# Altium PCB FlightController.PcbDoc
Units mm, origin at the board's own origin, x right, y up, seen from the top; angles counter-clockwise.
Board outline 54.5 x 67.5 mm, 4 copper layers (Top Layer, GND, Power, Bottom Layer), stack 1.883 mm thick; 52 components, 38 nets, 211 pads, 34 vias.
Unrouted connection lines stored in the file: 98.
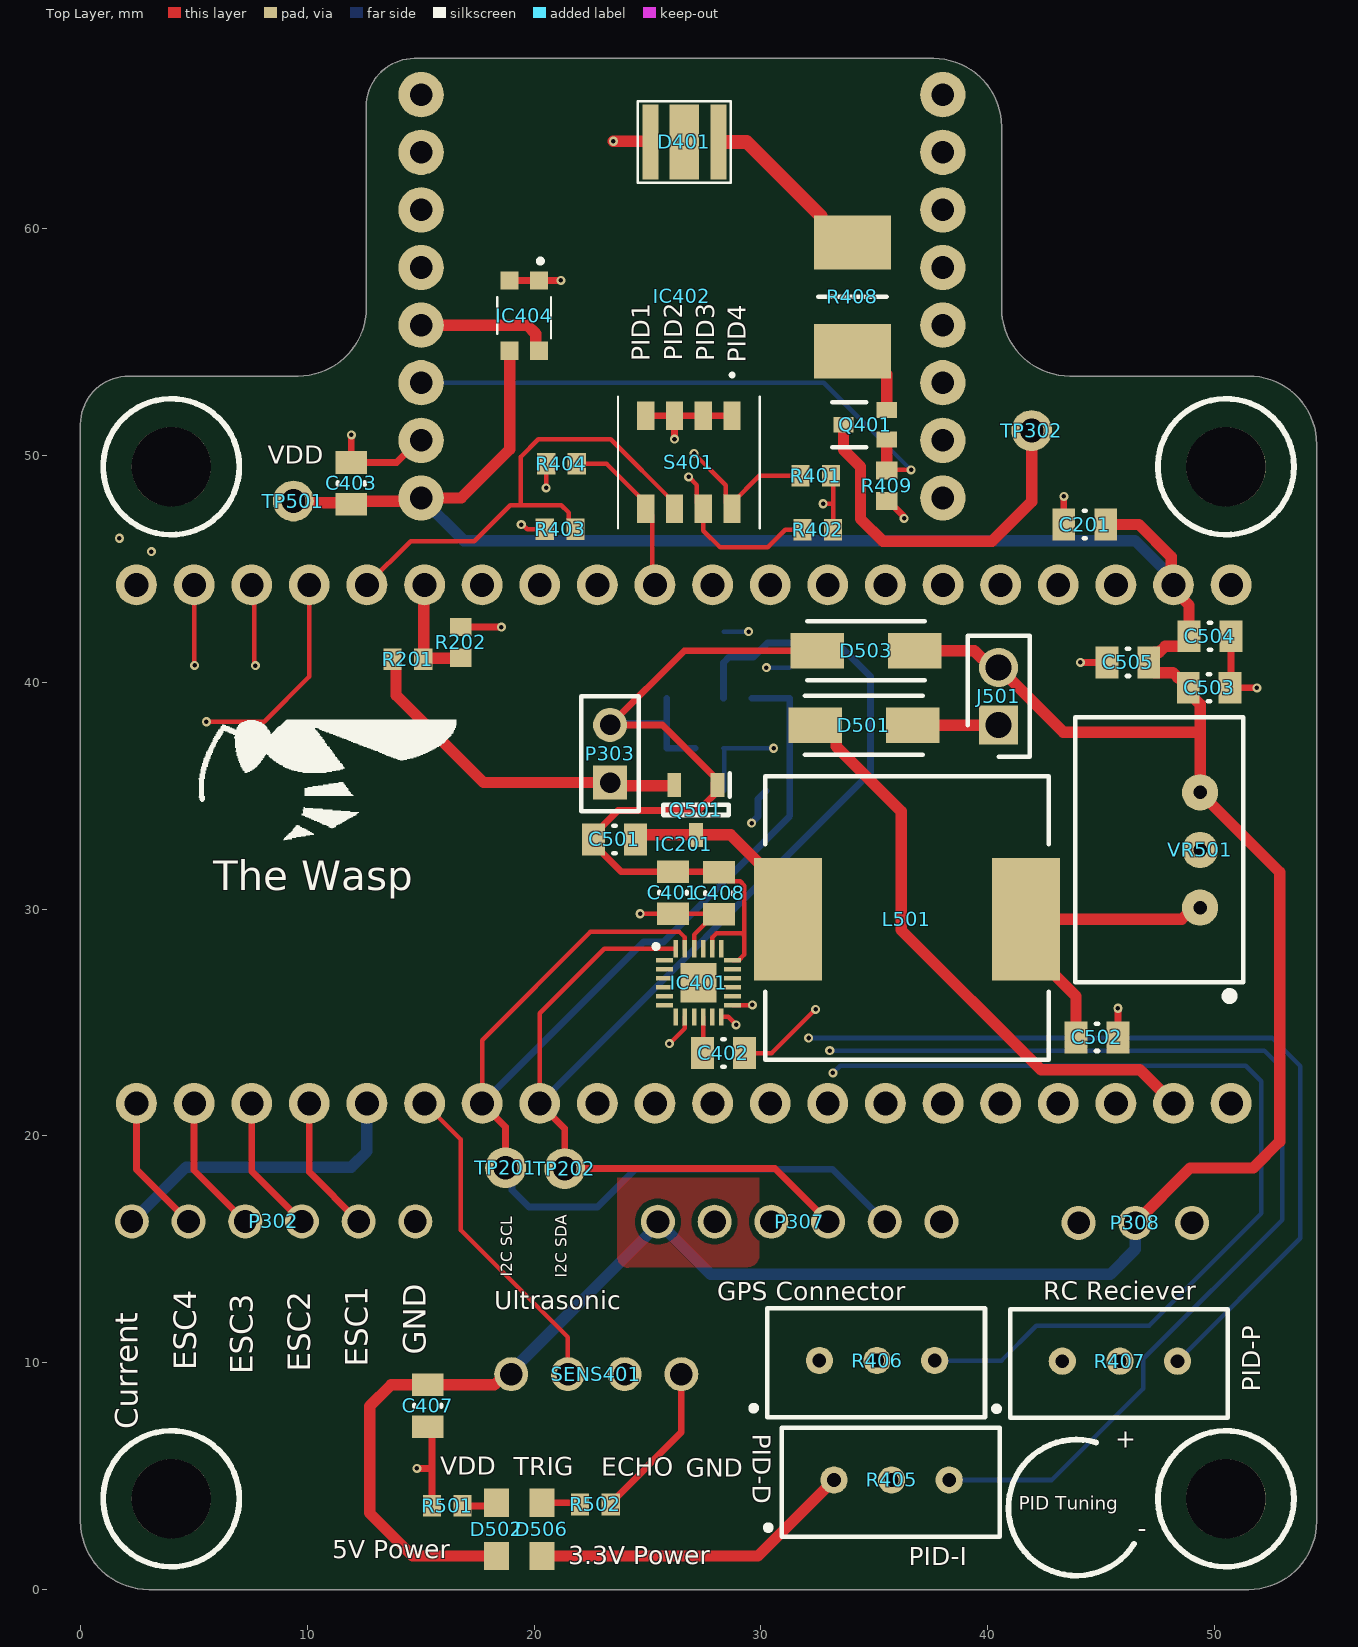
[diagram p0: Top Layer view]
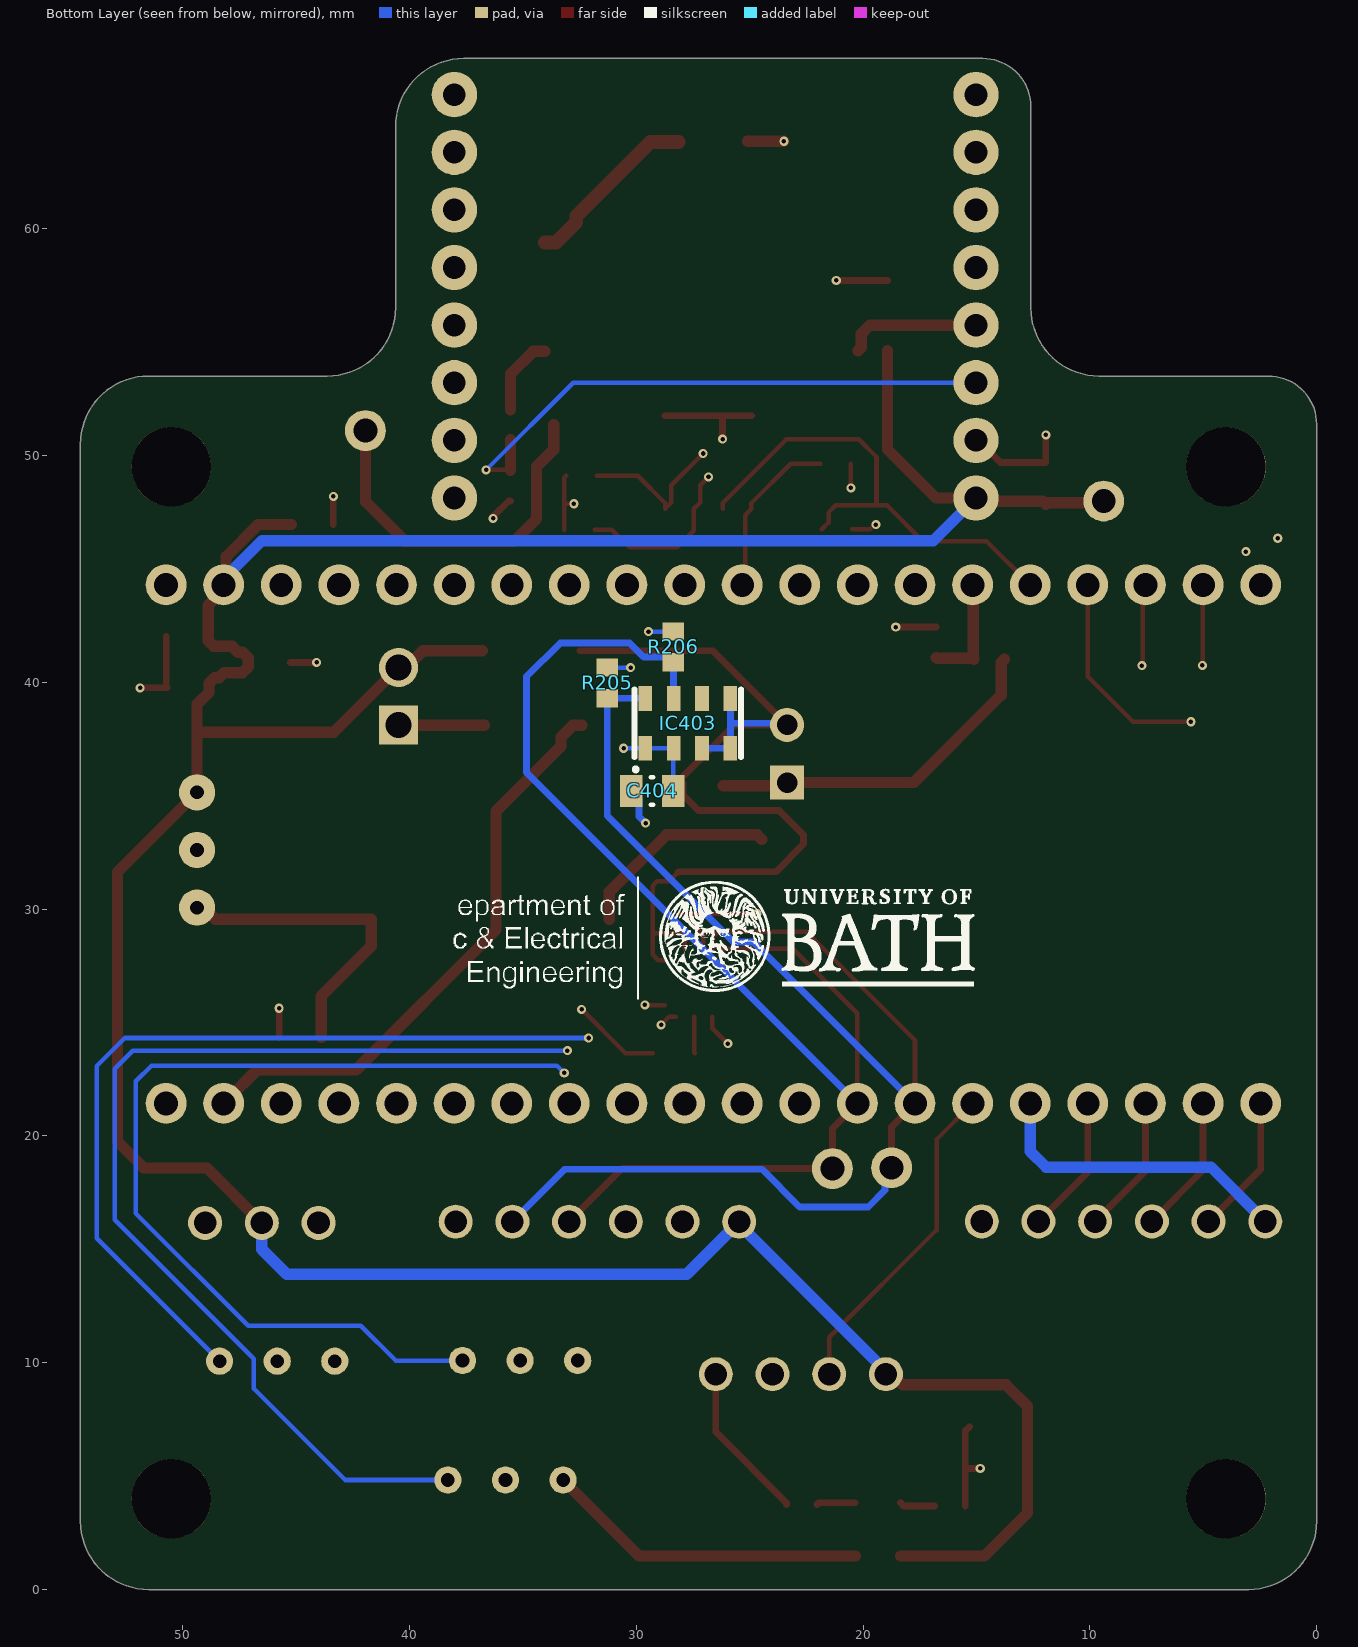
[diagram p1: Bottom Layer view, seen from below]
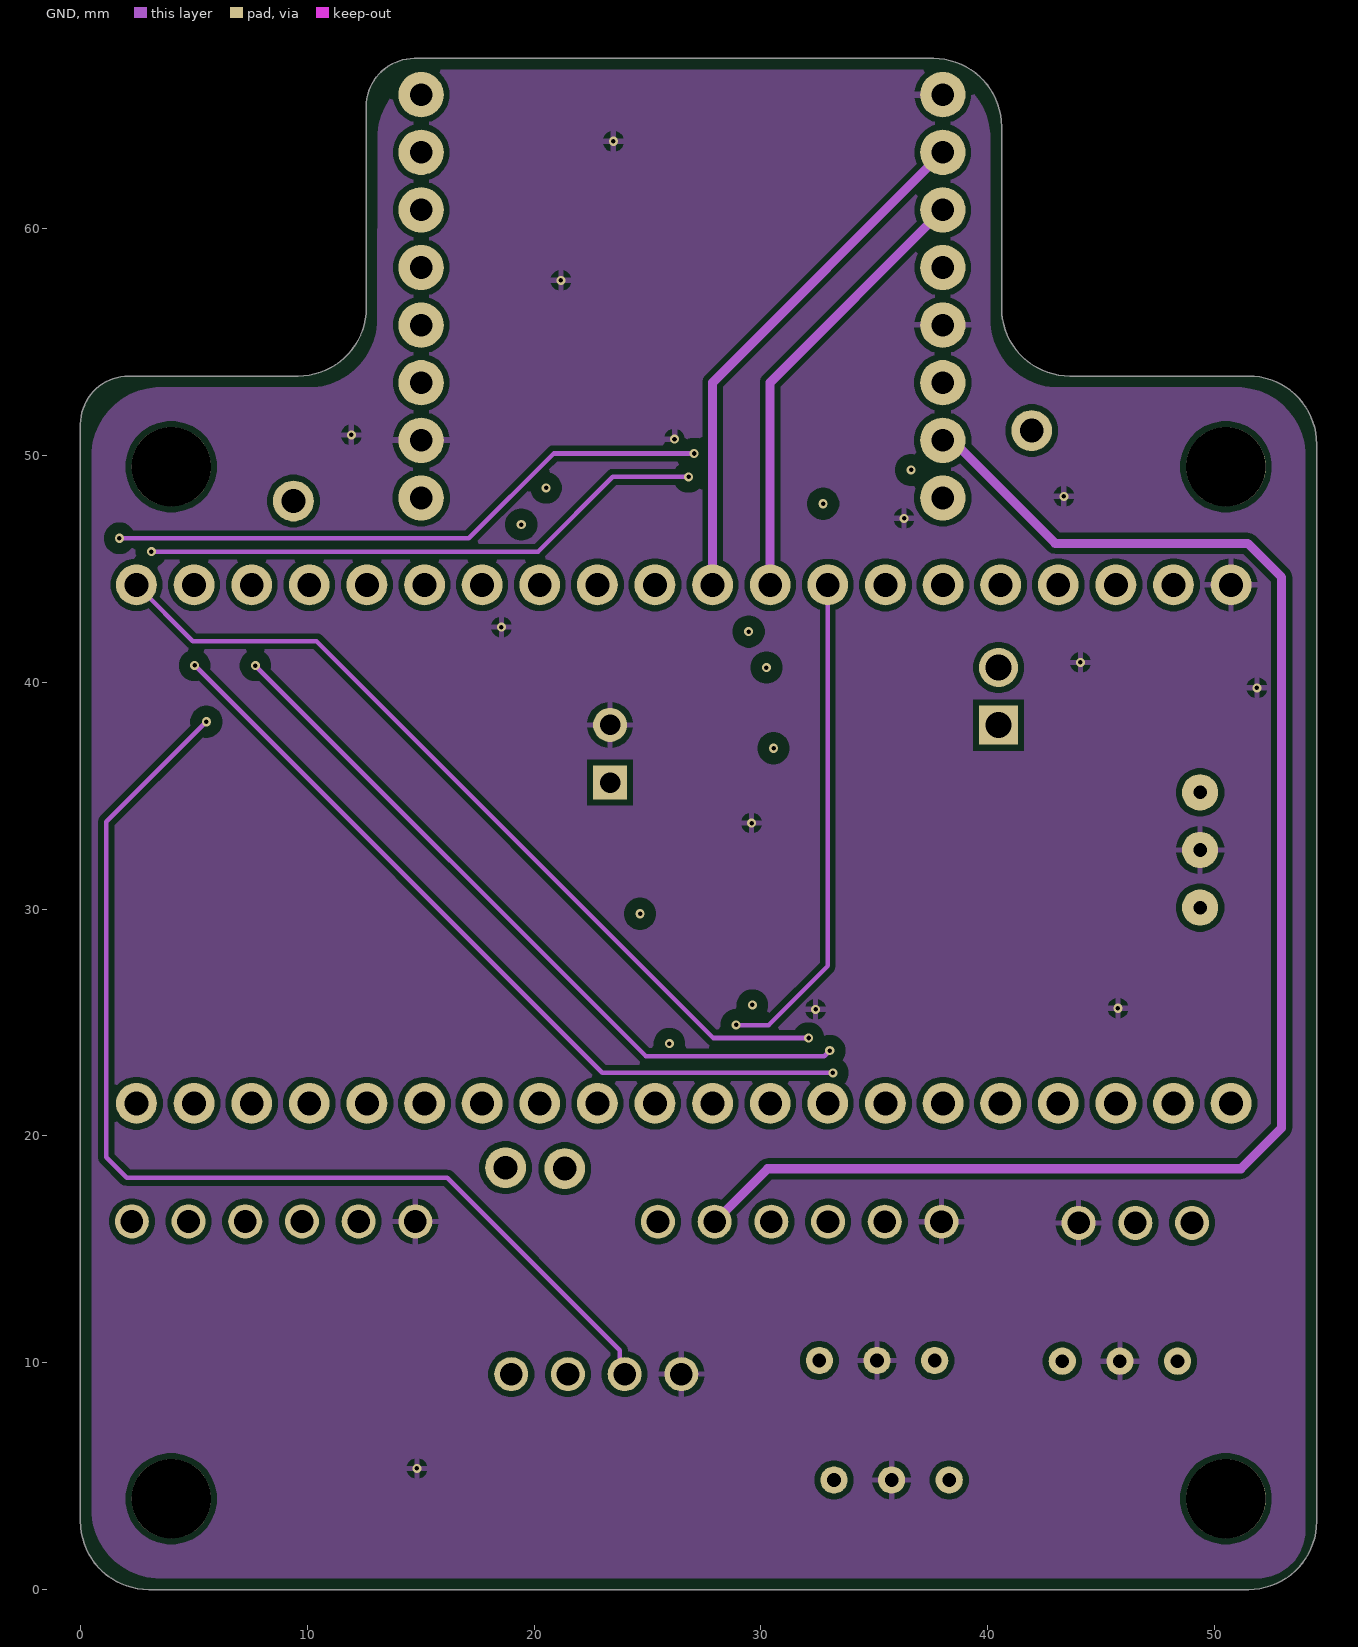
[diagram p2: GND]
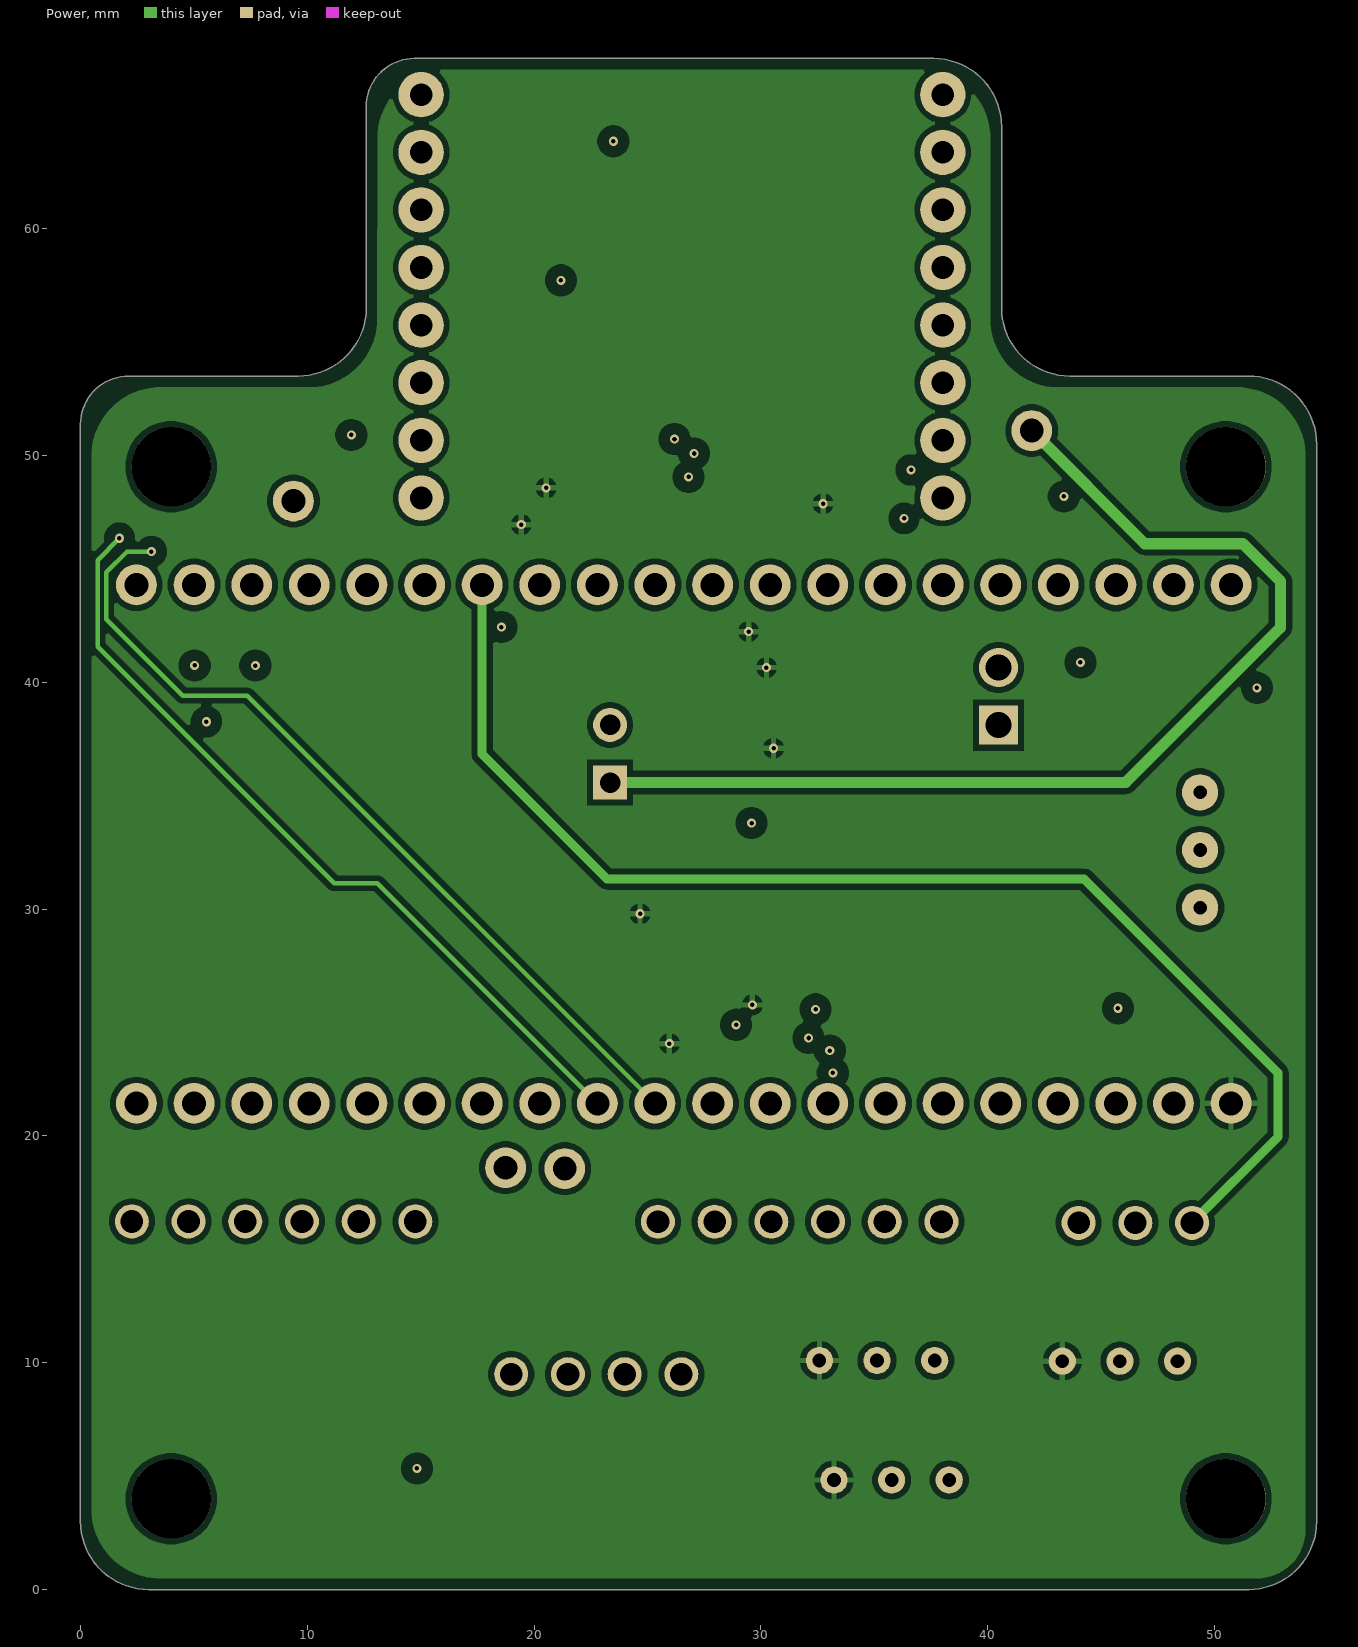
[diagram p3: Power]

## Layer stack, top to bottom
Top Solder: solder mask 0.0102, Solder Resist, Dk 3.5
Top Layer: signal copper 0.035
Dielectric 2: core 0.0711, FR-4, Dk 4.1
GND: signal copper 0.0356
Dielectric 1: dielectric 1.6, FR-4, Dk 4.8
Power: signal copper 0.0356
Dielectric 3: core 0.0711, FR-4, Dk 4.1
Bottom Layer: signal copper 0.035
Bottom Solder: solder mask 0.0102, Solder Resist, Dk 3.5

## Board outline
12.599,56.501 12.599,65.379 cw(c14.72,65.379) 14.72,67.5 37.608,67.5 cw(c37.608,64.5) 40.609,64.5 40.609,56.507 ccw(c43.616,56.507) 43.616,53.499 51.5,53.499 cw(c51.5,50.499) 54.5,50.499 54.5,3.002 cw(c51.498,3.002) 51.498,0 3.004,0 cw(c3.004,3.004) 0,3.004 0,51.374 cw(c2.126,51.374) 2.126,53.499 9.597,53.499 ccw(c9.597,56.501)

## Design rules (kind name [scope] priority, off if disabled: settings)
Clearance [All] p1: gap=0.254 ignorepadtopadclearanceinfootprint=TRUE except(0: Arc-Hole Track-Hole SMDPad-Hole THPad-Hole Via-Hole Fill-Hole Poly-Hole Region-Hole Text-Hole; 0.1: Arc-Arc Arc-Track Track-Track; 0.127: SMDPad-SMDPad; 0.2: Arc-SMDPad Track-SMDPad; 0.33: Arc-THPad Track-THPad; 0.5: Via-Via Via-Fill Via-Poly Via-Region)
HoleSize [All] p1: absolutevalues=TRUE maxlimit=6.3 minlimit=0.2 maxpercent=80.000 minpercent=20.000
MinimumSolderMaskSliver [All] p1: minsoldermaskwidth=0.127
PolygonConnect PolygonConnect_1 [(InNamedUnion('Unions') OR InComponent('IC501') OR InComponent('IC502'))] p1: connectstyle=Direct reliefconductorwidth=0.254 reliefentries=4 polygonreliefangle="90 Angle" airgapwidth=0.254
PolygonConnect [All] p2: connectstyle=Relief reliefconductorwidth=0.254 reliefentries=4 polygonreliefangle="90 Angle" airgapwidth=0.254
RoutingVias [All] p1: holewidth=0.2 width=0.4 viastyle="Through Hole" minholewidth=0.2 minwidth=0.4 maxholewidth=6.3 maxwidth=6.35
SolderMaskExpansion [All] p1: expansion=0.05 istentingtop=FALSE
Width [All] p1: maxlimit=10 minlimit=0.1 preferedwidth=0.2 minimp=50.000000 maximp=50.000000 favimp=50.000000
28 further rules are at their usual default settings.

## Classes and differential pairs
component class Sensors: C401 C402 C403 C404 C407 C408 D401 IC401 IC402 IC403 IC404 Q401 R401 R402 R403 R404 R405 R406 R407 R408 R409 S401 SENS401
component class "Power Regulation": C501 C502 C503 C504 C505 D501 D502 D503 D506 J501 L501 Q501 R501 R502 TP501 VR501
component class Mbed: C201 IC201 R201 R202 R205 R206 TP201 TP202
component class "Connectors and USB": P302 P303 P307 P308 TP302

## Components (designator, comment, footprint, x,y, rotation, side; value= is the part's Value field where it differs from the comment)
C201 "0805" "0805 Cap" 45.879,48.052 r180 top value=1uF
C401 "Cap" "0805 Cap" 25.021,32.317 r270 top value=10nF
C402 "Cap" "0805 Cap" 29.946,24.751 r180 top value=0.1uF
C403 "Cap" "0805 Cap" 10.84,50.366 r270 top value=100nF
C404 "Cap" "0805 Cap" 30.898,34.109 r180 bottom value=100nF
C407 "Cap" "0805 Cap" 16.408,6.498 r90 top value=100nF
C408 "Cap" "0805 Cap" 27.054,32.296 r270 top value=0.1uF
C501 "C2012X5R1V106K085AC" "0805 Cap" 21.942,31.968 r0 top value=10uF
C502 "C2012X5R1V106K085AC" "0805 Cap" 46.415,25.442 r180 top value=10uF
C503 "C2012X5R1V106K085AC" "0805 Cap" 51.359,40.855 r180 top value=1uF
C504 "C2012X5R1V106K085AC" "0805 Cap" 51.396,43.131 r180 top value=0.1uF
C505 "C2012X5R1V106K085AC" "0805 Cap" 44.58,39.774 r0 top value=0.01uF
D401 "XBDBLU-00-0000-000000201" "LED PAD" 28.475,63.819 r180 top
D501 "B260A" "SMA (DO-214AC)" 34.54,38.102 r0 top
D502 "LED2" "SML-211 Series" 18.347,1.479 r90 top
D503 "B260A" "SMA (DO-214AC)" 34.633,41.387 r0 top
D506 "LED2" "SML-211 Series" 20.347,1.479 r90 top
IC201 "Mbed LPC1768 Header" "Mbed LPC1768" 50.728,44.293 r270 top locked
IC401 "MPU6881" QFN40P300X300X105-25N-D 27.25,26.75 r0 top
IC402 "ESP32-CAM" ESP-CAM 15.017,48.125 r180 top locked
IC403 "MS561101BA03-50" MS561101BA03-50 27.724,38.19 r90 bottom
IC404 "SFH_5711-2_3-Z" SFH571123Z 19.572,56.168 r180 top
J501 "Jumper" "2.54mm 2 pin Jumper" 40.479,38.107 r90 top
L501 "SRR1280A-331K" SRR1280A 31.186,29.557 r90 top value=5.6uH
P302 "ESC Connector" B6B-XH-A 2.264,16.228 r0 top
P303 "ESC Power" HDR1X2 23.348,35.577 r90 top
P307 "GPS Connector" B6B-XH-A 25.459,16.217 r0 top
P308 "RC Receiver" B3B-XH-A 44.006,16.164 r0 top
Q401 "2N7002WT1G" 2N7002WT1G 33.64,51.353 r270 top
Q501 "MOSFET-P" SOT95P230X110-3N 27.135,34.371 r270 top
R201 "0603" 0603 14.435,41.018 r0 top value=30k
R202 "0603" 0603 16.772,41.757 r90 top value=10k
R205 "0603" 0603 31.272,39.97 r270 bottom value=1.5k
R206 "0603" 0603 28.367,41.557 r270 bottom value=1.5k
R401 "0603" 0603 32.419,49.099 r180 top value=10k
R402 "0603" 0603 32.507,46.728 r180 top value=10k
R403 "0603" 0603 21.144,46.741 r0 top value=10k
R404 "0603" 0603 21.207,49.625 r0 top value=10k
R405 "RPot" "TRIM_POT Bourns 3296" 33.222,4.829 r0 top value=50k
R406 "RPot" "TRIM_POT Bourns 3296" 32.579,10.095 r0 top value=50k
R407 "RPot" "TRIM_POT Bourns 3296" 43.288,10.065 r0 top value=50k
R408 "CRGH2512J68R" RESC6432X65N 34.037,56.987 r270 top value=60
R409 "0603" 0603 35.544,48.666 r270 top value=10k
R501 "0603" 0603 16.172,3.689 r0 top value=3.3k
R502 "0603" 0603 22.705,3.749 r180 top value=1.5k
S401 "218-4LPSTJRF" 2184LPSTJRF 26.824,49.695 r180 top
SENS401 "HC-SR04" B4B-XH-A 26.491,9.496 r180 top
TP201 "Test Point" "Test Point THT 1mm" 18.741,18.598 r180 top
TP202 "Test Point" "Test Point THT 1mm" 21.349,18.556 r180 top
TP302 "Test Point" "Test Point THT 1mm" 41.936,51.094 r90 top
TP501 "Test Point" "Test Point THT 1mm" 9.388,47.99 r90 top
VR501 "TSR 1-2450" "TRACOPOWER TSR" 49.362,30.064 r90 top
